# Altium PCB LTC7818.PcbDoc
Units mil, origin at the board's own origin, x right, y up, seen from the top; angles counter-clockwise.
Board outline 3937.01 x 2755.95 mil, 4 copper layers (Layer 1, Layer 2, Layer 3, Layer 4), stack 23.756 mil thick; 56 components, 29 nets, 206 pads, 1828 vias.
Unrouted connection lines stored in the file: 32.
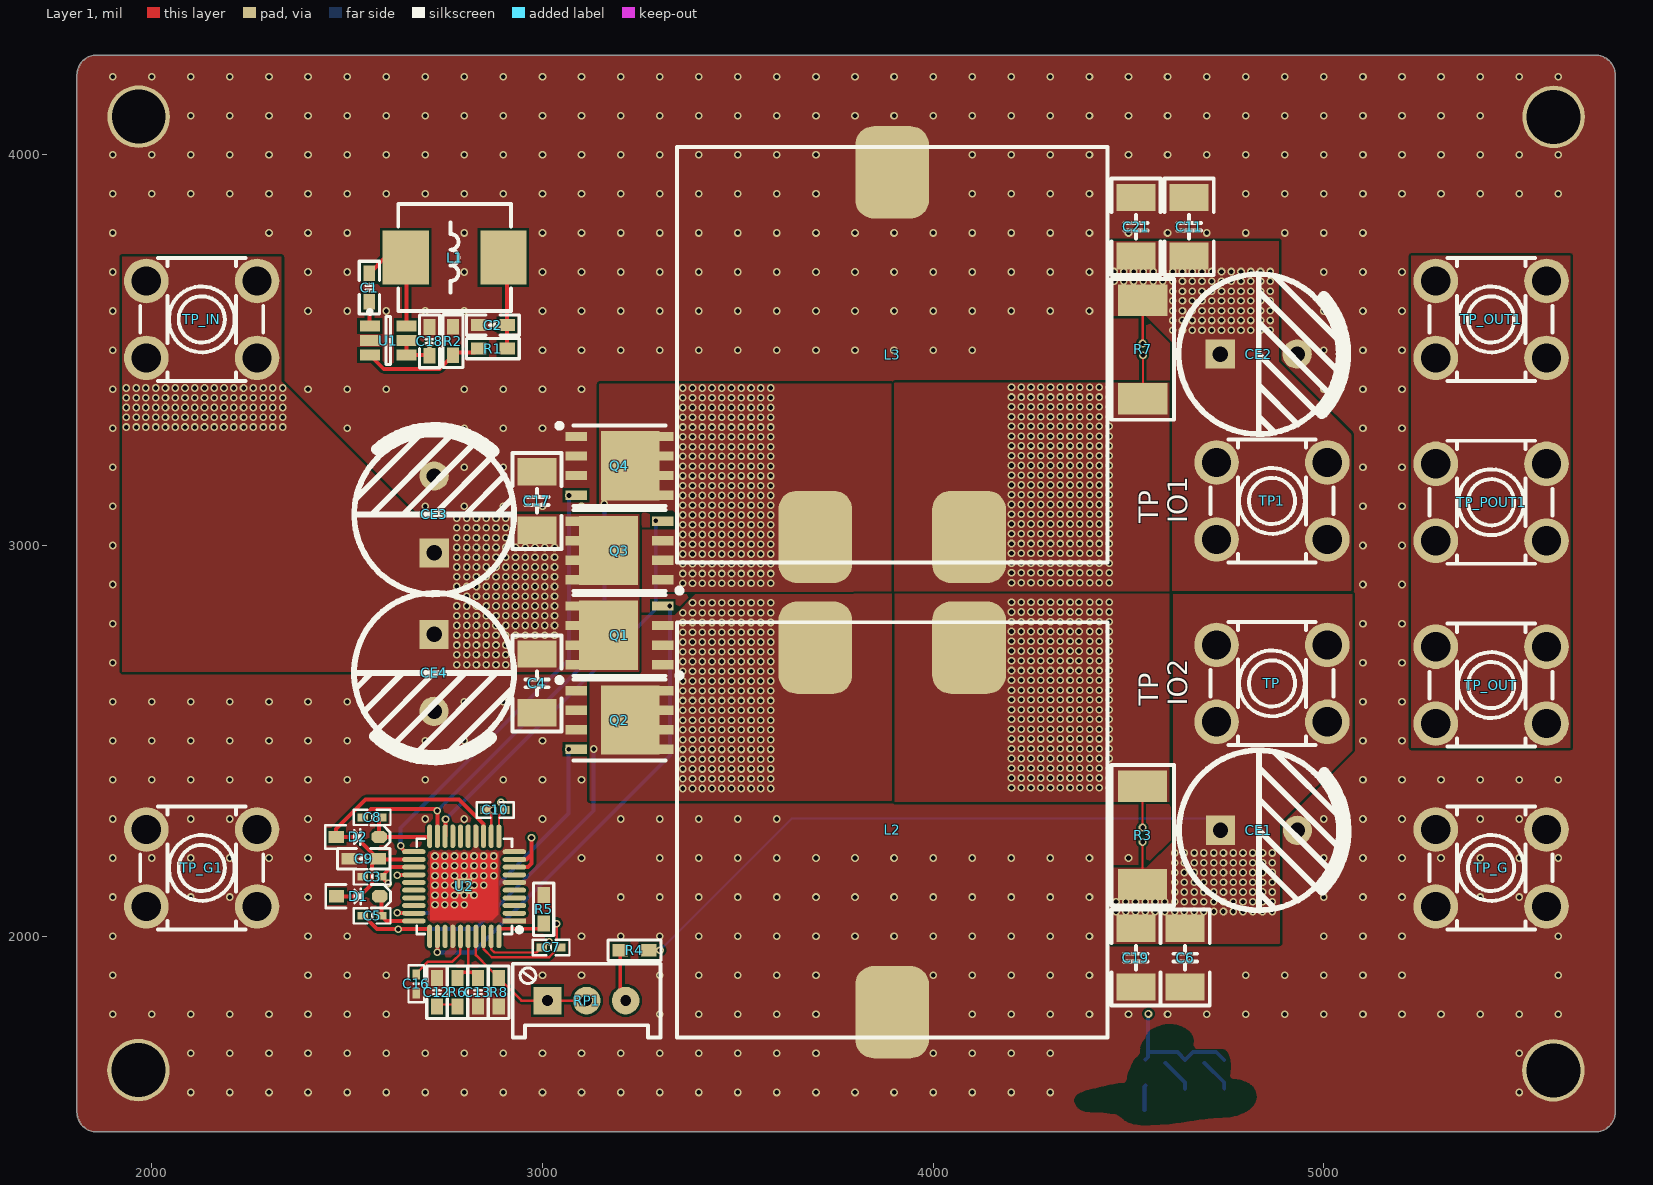
[diagram p0: Layer 1 view]
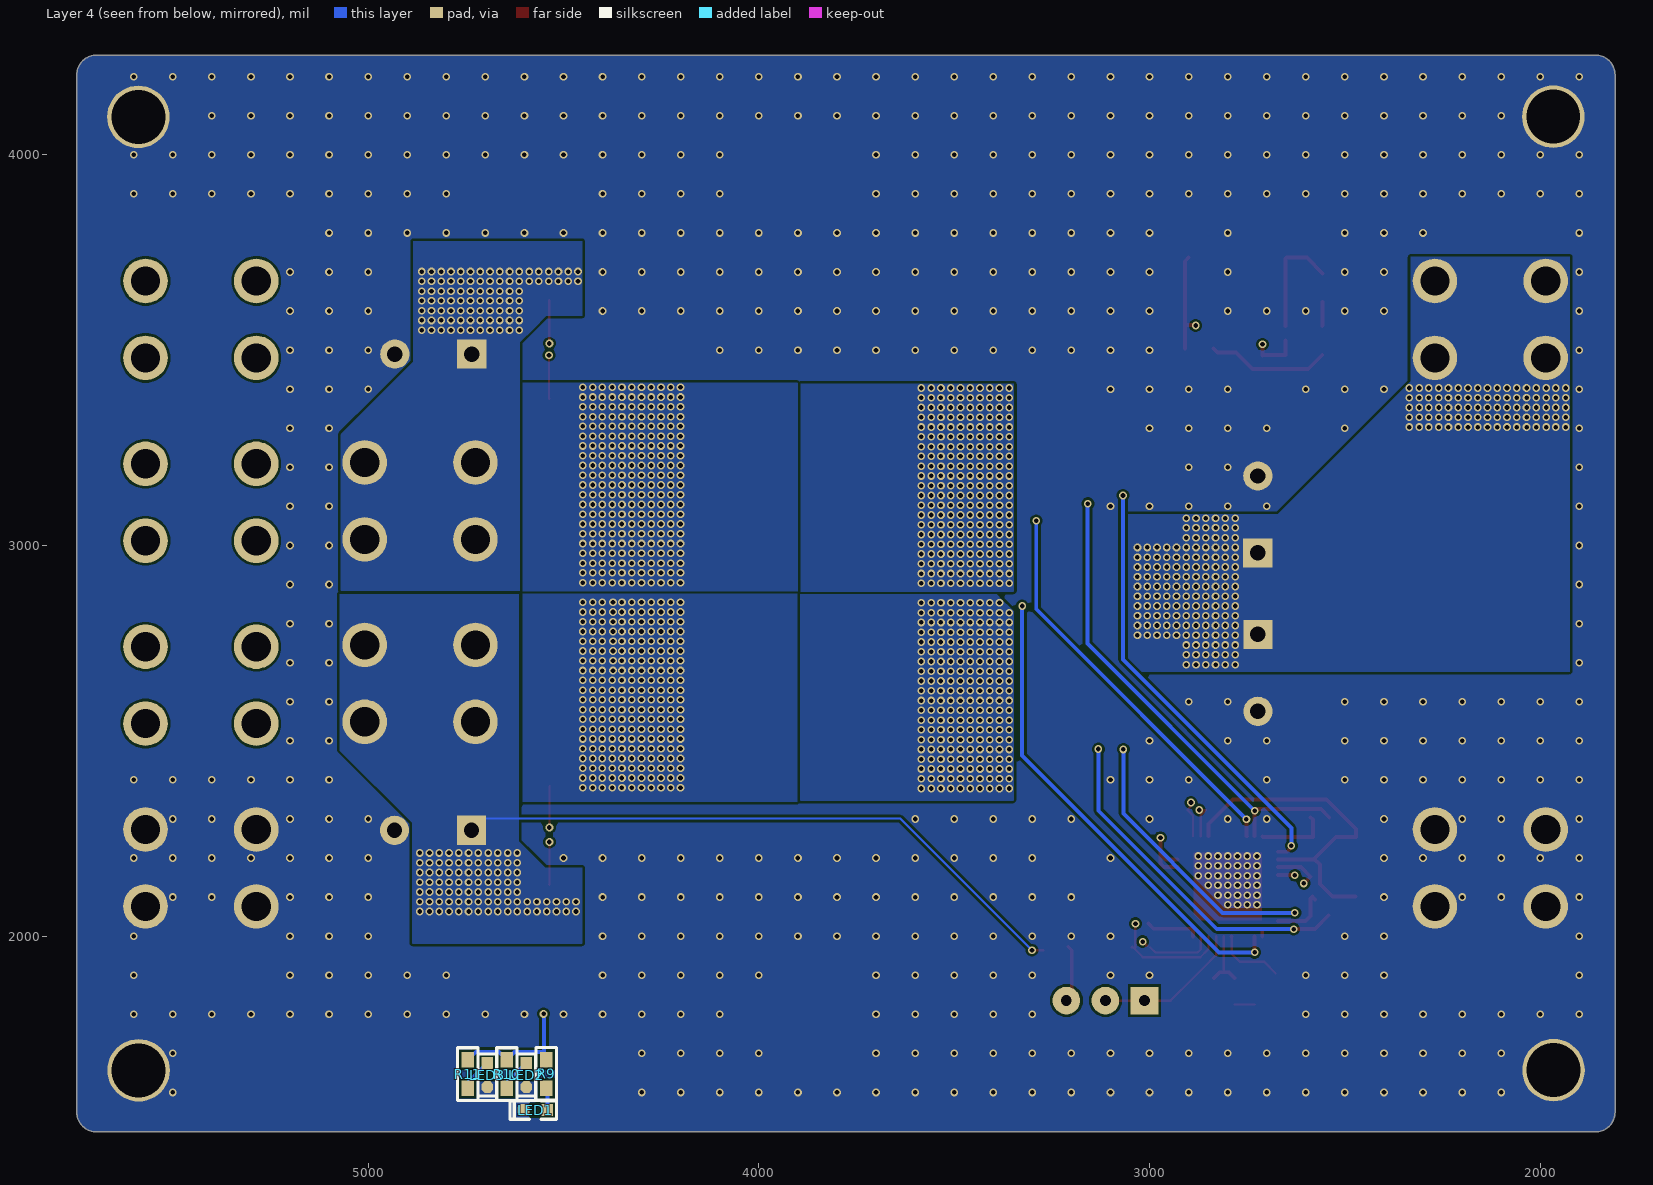
[diagram p1: Layer 4 view, seen from below]
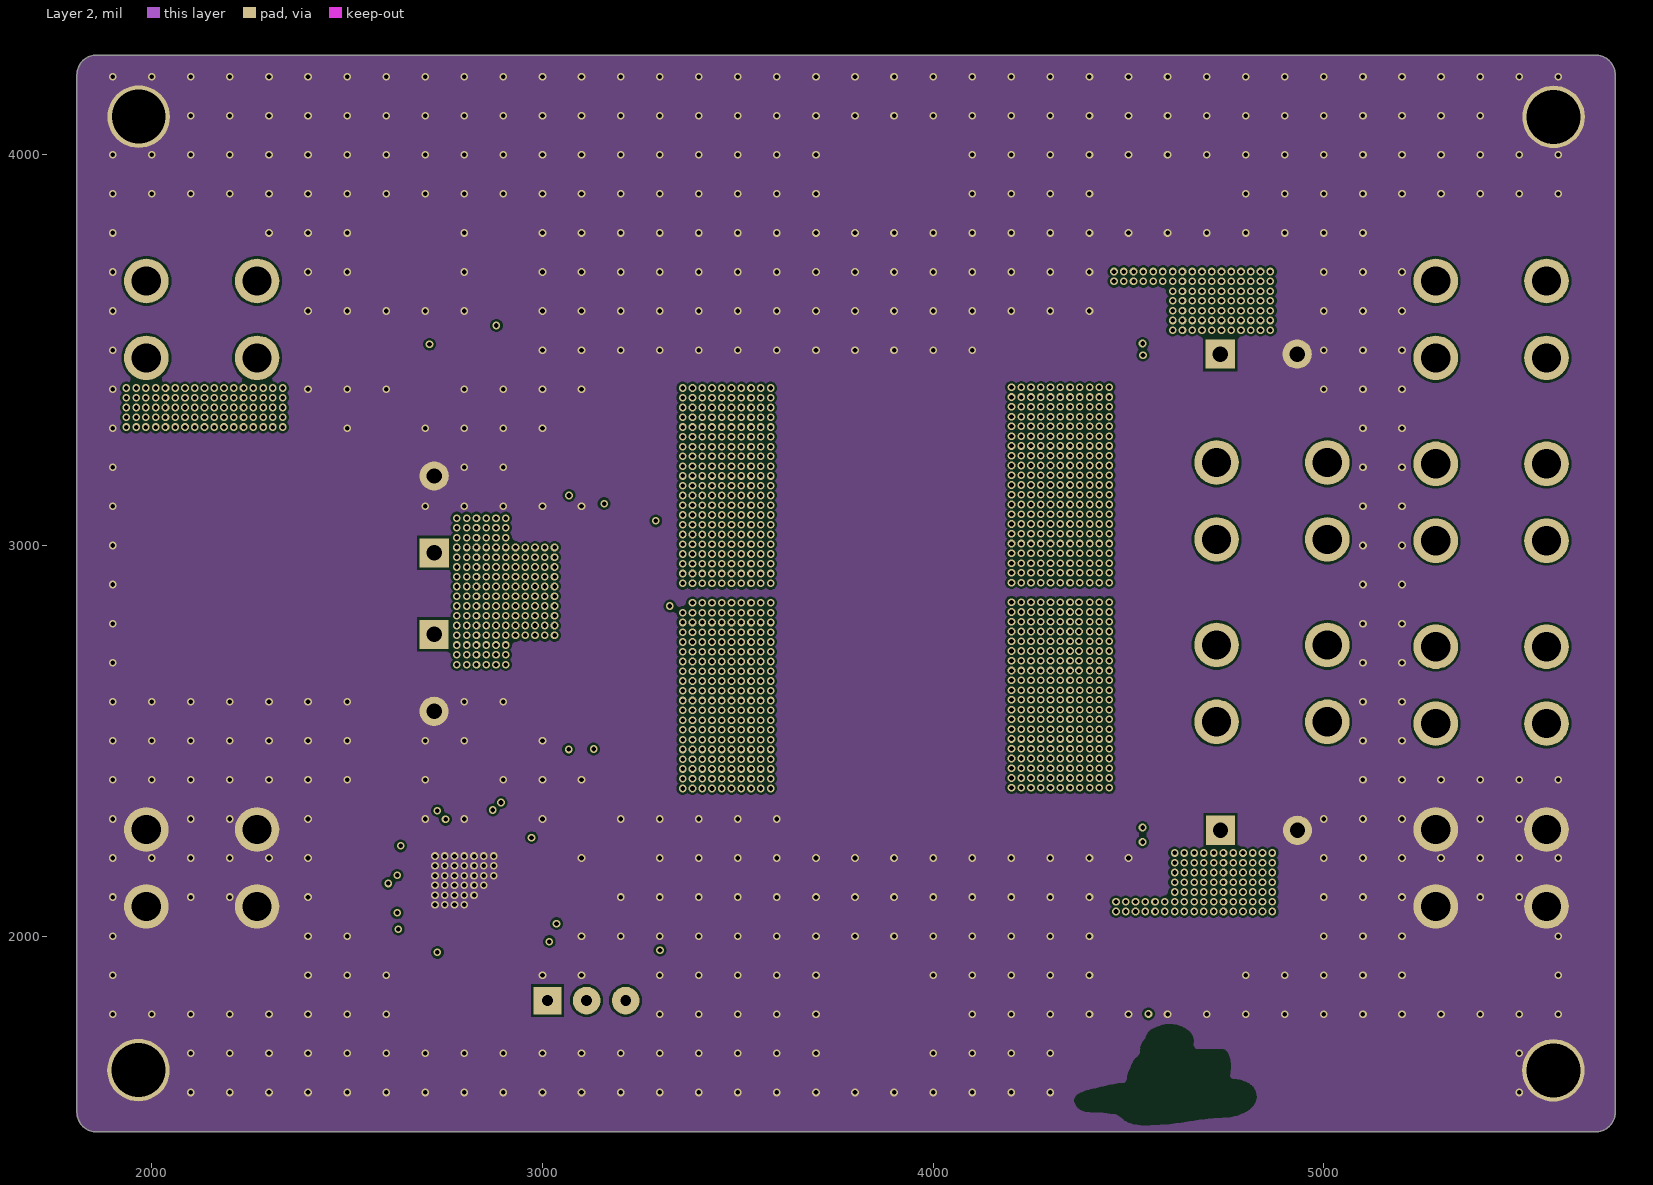
[diagram p2: Layer 2]
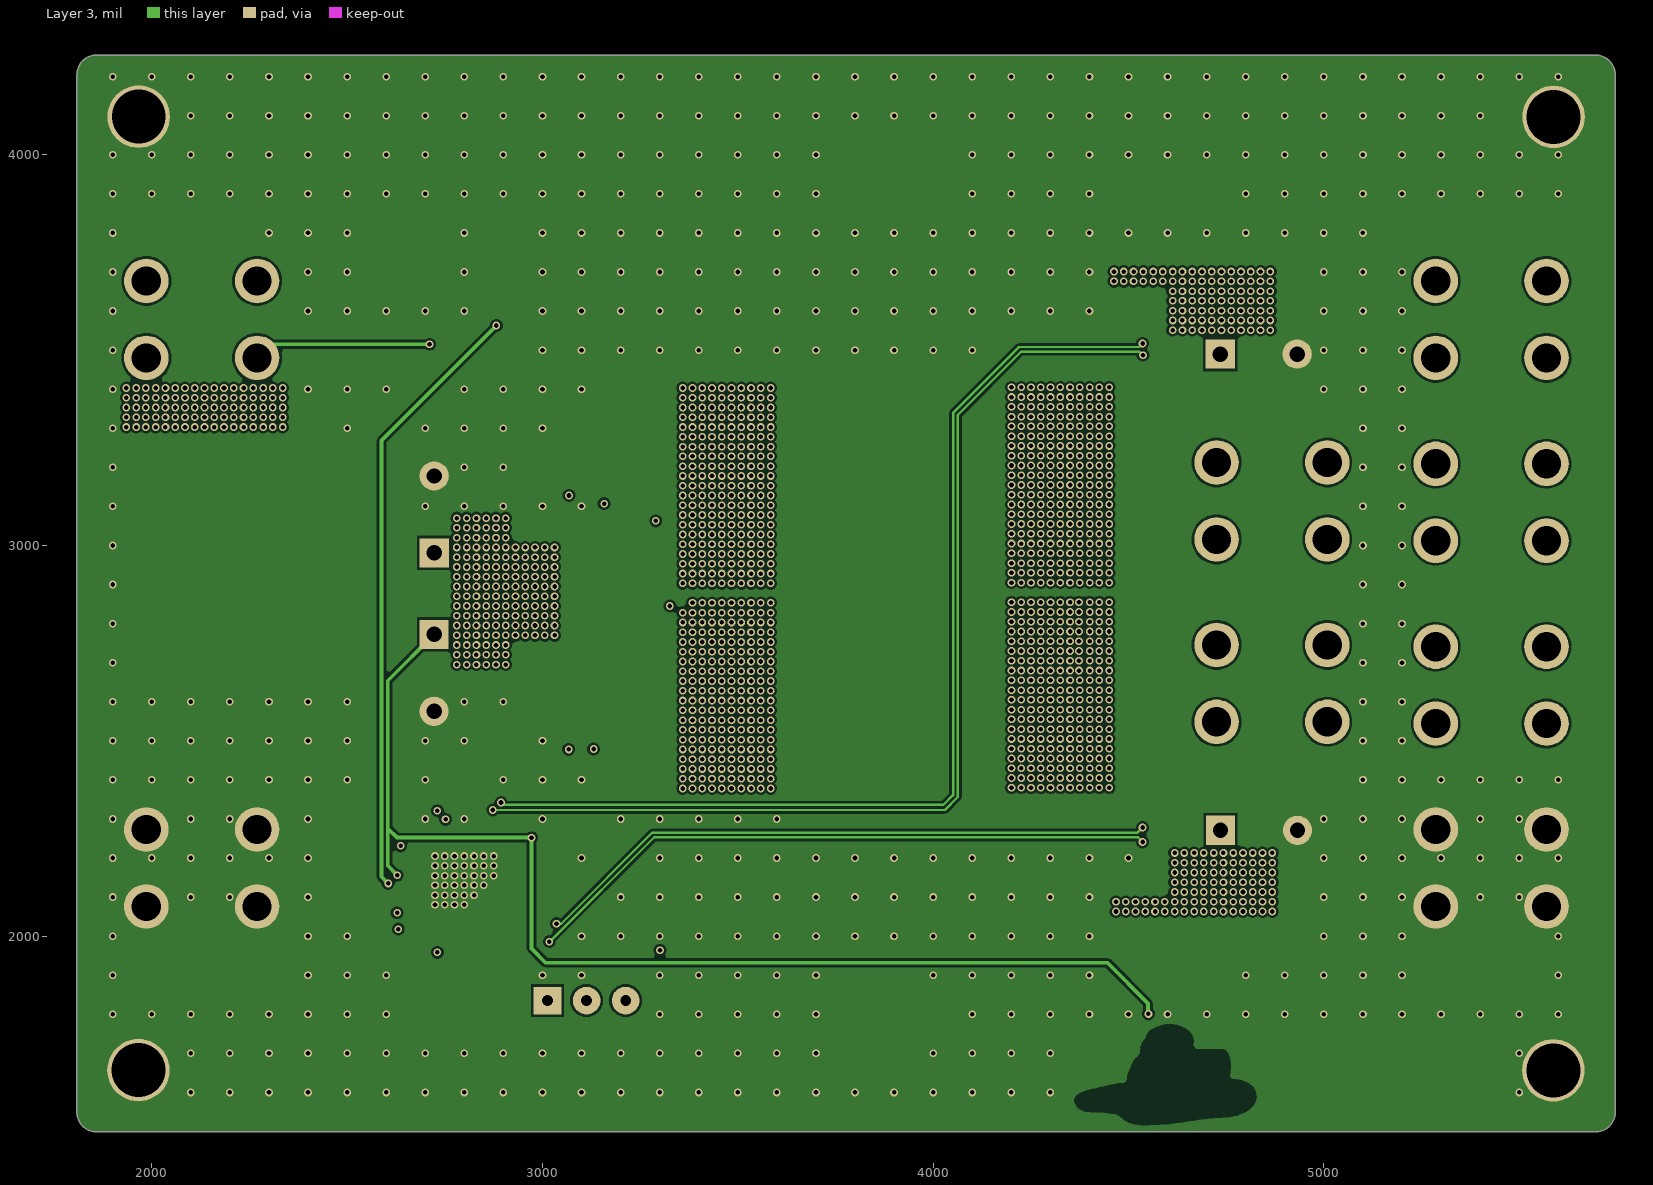
[diagram p3: Layer 3]
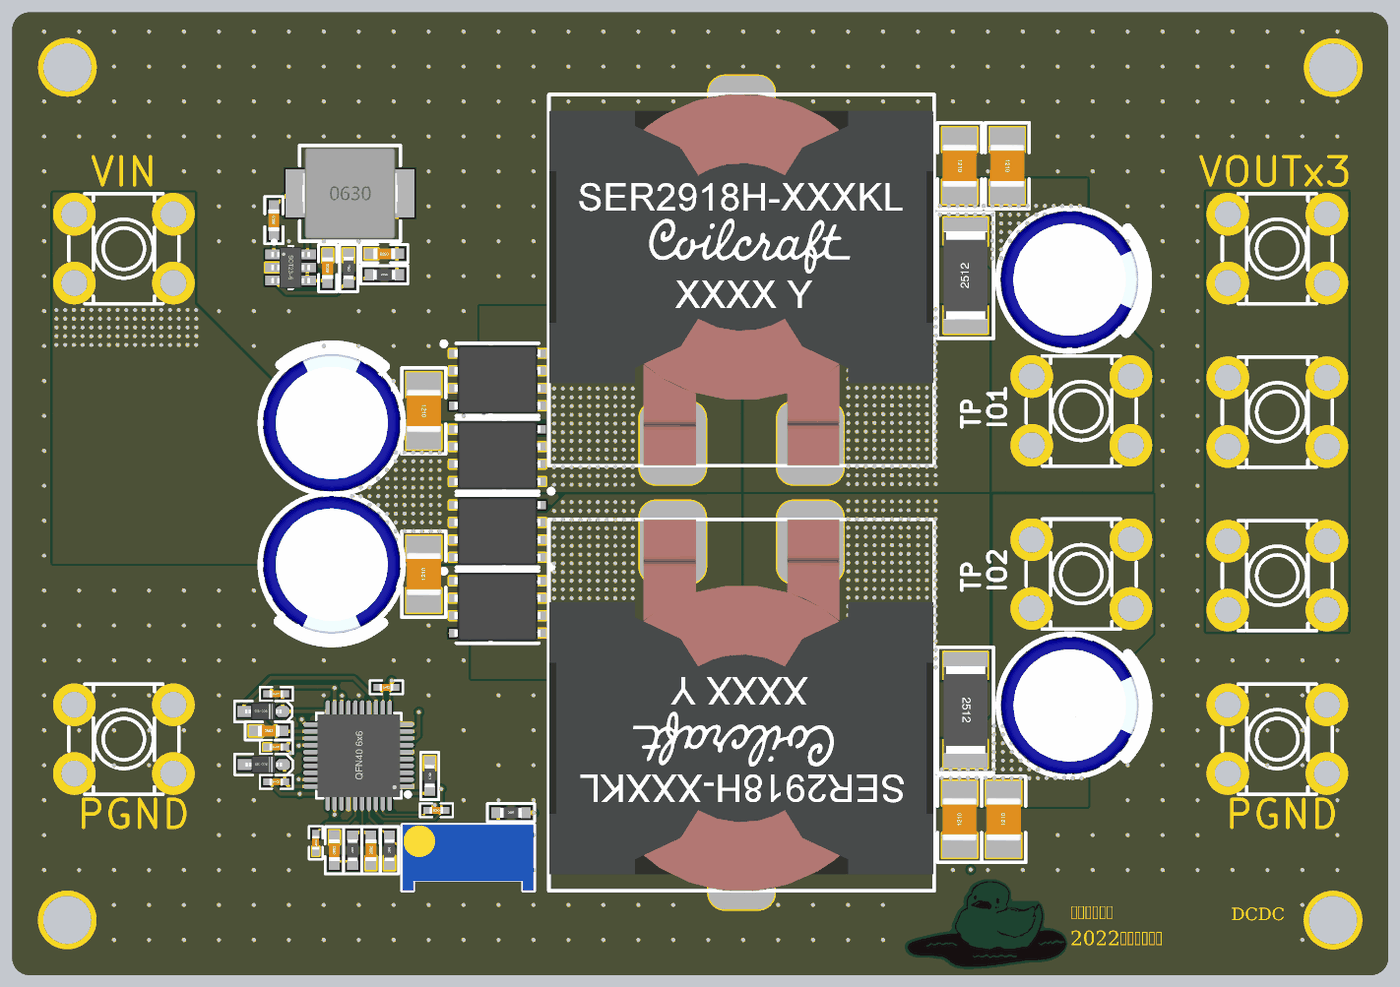
[diagram p4: 3D render of the assembled board from above, using the file's embedded part models]
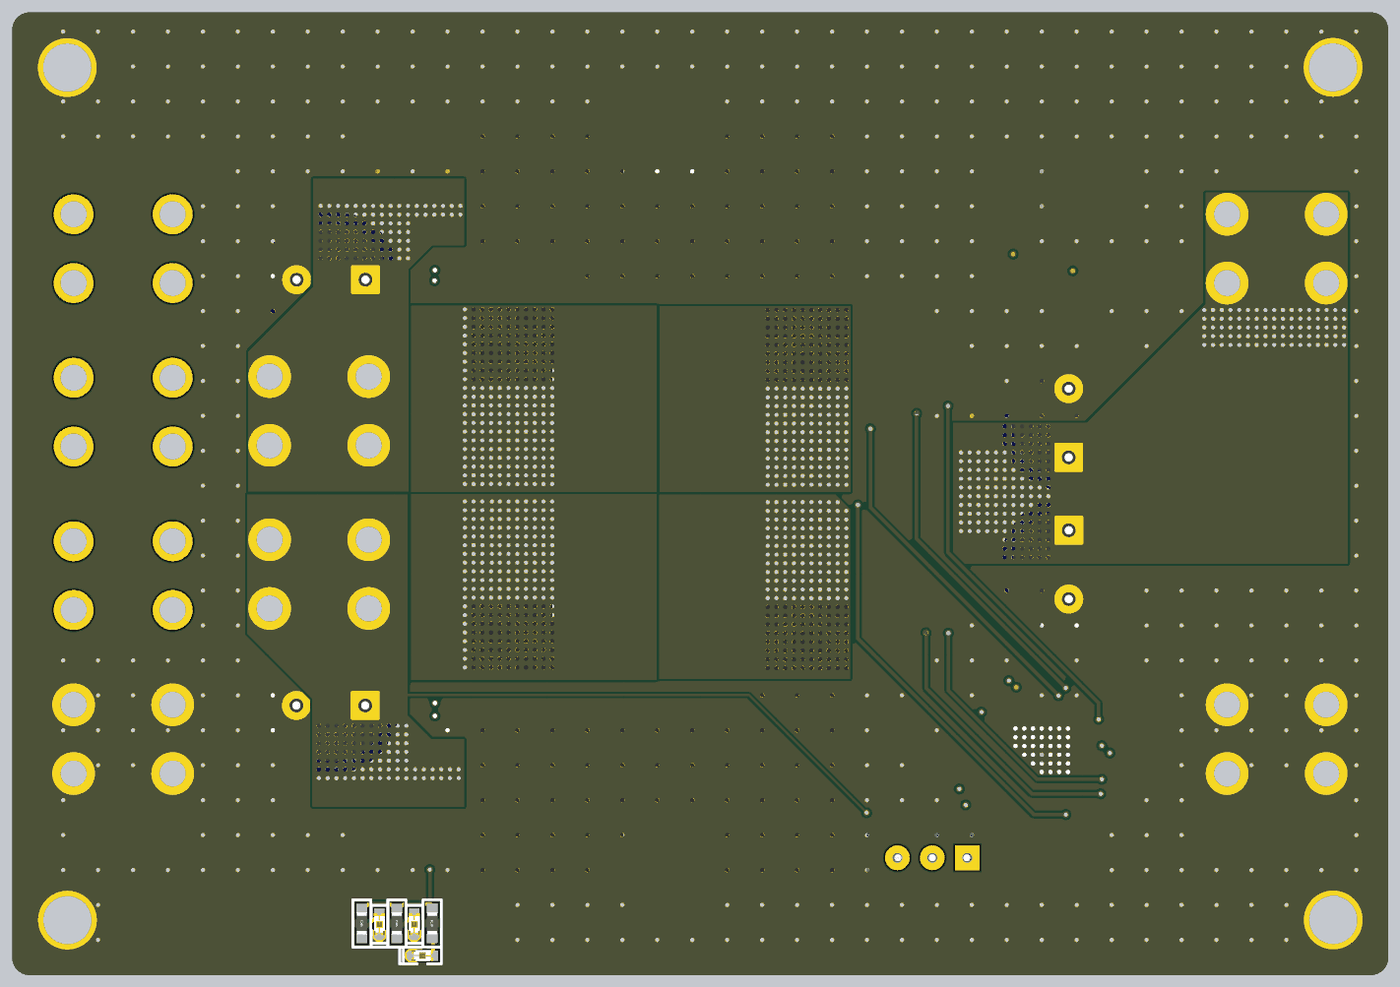
[diagram p5: 3D render of the assembled board from below, using the file's embedded part models]

## Layer stack, top to bottom
Top Solder: solder mask 0.4, Solder Resist, Dk 3.5
Layer 1: signal copper 1.4
Dielectric 2: prepreg 2.8, PP-006, Dk 4.1
Layer 2: signal copper 1.378
Dielectric 1: dielectric 12.6, FR-4, Dk 4.8
Layer 3: signal copper 1.378
Dielectric 3: prepreg 2.8, PP-006, Dk 4.1
Layer 4: signal copper 1.4
Bottom Solder: solder mask 0.4, Solder Resist, Dk 3.5

## Board outline
1808.5,1549.05 ccw(c1858.5,1549.05) 1858.5,1499.05 5695.5,1499.05 ccw(c5695.5,1549.05) 5745.5,1549.05 5745.5,4204.95 ccw(c5695.5,4204.95) 5695.5,4254.95 5695.5,4255 1858.5,4255 ccw(c1858.5,4205) 1808.5,4205

## Design rules (kind name [scope] priority, off if disabled: settings)
Clearance [All] p1: gap=6 ignorepadtopadclearanceinfootprint=TRUE
Height [All] p1: minheight=0 maxheight=5000 prefheight=500
PolygonConnect [All] p1: connectstyle=Direct reliefconductorwidth=10 reliefentries=4 polygonreliefangle="90 Angle" airgapwidth=10
RoutingVias [All] p1: holewidth=28 width=50 viastyle="Through Hole" minholewidth=11.81 minwidth=19.68 maxholewidth=28 maxwidth=50
SolderMaskExpansion [All] p1: expansion=4 istentingtop=FALSE
Width [All] p1: maxlimit=10 minlimit=6 preferedwidth=10
29 further rules are at their usual default settings.

## Components (designator, comment, footprint, x,y, rotation, side; value= is the part's Value field where it differs from the comment)
C1 "104" C0603_M 2557,3660 r90 top
C2 "107" C0603_M 2873,3564 r180 top
C3 "104" C0402_M 2564,2152 r0 top
C4 "107" C1210_M 2986,2647 r90 top
C5 "104" C0402_M 2564,2052 r0 top
C6 "107" C1210_M 4645,1945 r90 top
C7 "104" C0402_M 3022,1971 r180 top
C8 "104" C0402_M 2564,2304 r0 top
C9 "107" C0603_M 2542.5,2198 r0 top
C10 "104" C0402_M 2879,2323 r0 top
C11 "107" C1210_M 4655.24,3815.76 r270 top
C12 "1nF" C0603_M 2730,1856.5 r90 top
C13 "47p" C0603_M 2835,1856.5 r270 top
C16 "104" C0402_M 2677,1878 r270 top
C17 "107" C1210_M 2986,3114 r270 top
C18 "104" C0603_M 2711,3522.5 r90 top
C19 "107" C1210_M 4519,1945 r90 top
C21 "107" C1210_M 4519.24,3815.76 r270 top
CE1 "330uF" "CAP 5.0*10*12.5" 4834,2271 r0 top
CE2 "330uF" "CAP 5.0*10*12.5" 4833.24,3489.76 r0 top
CE3 "330uF" "CAP 5.0*10*12.5" 2722.89,3079.43 r90 top
CE4 "330uF" "CAP 5.0*10*12.5" 2722.61,2674 r270 top
D1 "1N4148" SOD-323 2528,2102 r0 top
D2 "1N4148" SOD-323 2527,2254 r0 top
L1 "10uH" L-SMD-0630 2775,3737 r0 top
L2 "6.8uH" "L_ SER2900" 3895.15,2271.97 r180 top locked
L3 "6.8uH" "L_ SER2900" 3895.15,3488.37 r0 top locked
LED1 "红色" LED0603_R 4572,1555 r0 bottom
LED2 "红色" LED0603_R 4595,1644.59 r270 bottom
LED3 "红色" LED0603_R 4695,1644.59 r270 bottom
Q1 "HSBA15810C" PQFN-8_L6.0-W5.0-P1.27-LS6.0-BL 3206.97,2770 r90 top
Q2 "HSBA15810C" PQFN-8_L6.0-W5.0-P1.27-LS6.0-BL 3187.03,2553 r270 top
Q3 "HSBA15810C" PQFN-8_L6.0-W5.0-P1.27-LS6.0-BL 3206.97,2987 r90 top
Q4 "HSBA15810C" PQFN-8_L6.0-W5.0-P1.27-LS6.0-BL 3187.03,3204 r270 top
R1 "62.5K" R0603_M 2873,3504 r0 top
R2 "20K" R0603_M 2771,3523 r270 top
R3 "2mR" R2512_M 4536,2258 r270 top
R4 "15K" R0603_M 3235.5,1964 r0 top
R5 "0" R0603_M 3003,2069 r270 top
R6 "2K" R0603_M 2782.5,1856.5 r90 top
R7 "2mR" R2512_M 4536.24,3501.76 r90 top
R8 "5K" R0603_M 2888,1856.5 r90 top
R9 "15K" R0603_M 4544,1647.5 r90 bottom
R10 "15K" R0603_M 4645,1647 r90 bottom
R11 "15K" R0603_M 4745,1647 r90 bottom
RP1 "145K" 3296W 3113,1835 r0 top
TP "TP" CONN-TH_T44001 4867.22,2647 r90 top
TP1 "TP" CONN-TH_T44001 4867.22,3114 r90 top
TP_G "TP" CONN-TH_T44001 5428.1,2174.57 r90 top
TP_G1 "TP" CONN-TH_T44001 2127.9,2174.57 r90 top
TP_IN "TP" CONN-TH_T44001 2127.9,3578.57 r90 top
TP_OUT "TP" CONN-TH_T44001 5428.1,2642.57 r90 top
TP_OUT1 "TP" CONN-TH_T44001 5428.1,3578.57 r90 top
TP_POUT1 "TP" CONN-TH_T44001 5428.1,3110.57 r90 top
U1 "SCT2401TVBR" SOT23-6M 2605.26,3524.6 r0 top
U2 "LTC7818IUJ#TRPBF" "QFN40 6X6_M" 2800,2127.5 r90 top

## Footprints (in the part's own frame and the unit in brackets; to place one, negate y for a bottom-side part, rotate by r counter-clockwise, add the part's x,y. Pads: shape width x height; smd on the part's side, far side on the other; paste and mask are expansions set on the pad)
3296W [mm] "Precise Multi-Winding Adjustable Resistor"
  rect 1.8x1.8 hole 0.7: 1(-2.54,0)
  round 1.8 hole 0.7: 2(0,0) 3(2.54,0)
  silkscreen extent -4.8,-2.4 4.8,2.4, body extent -4.75,-2.4 4.75,2.4, height 2.9
C0402_M [mil] "无极性贴片电容"
  rect 26x20 smd: 1(-24,0) 2(24,0)
  silkscreen extent -47,-20 47,20, body extent -20,-10 20,10, height 21
C0603_M [mil] "无极性贴片电容"
  rect 40x30 smd: 1(-36.5,0) 2(36.5,0)
  silkscreen extent -68,-26 68,26, body extent -31,-16 32,16, height 33
C1210_M [mil] "无极性贴片电容"
  rect 70x100 smd: 1(-75,0) 2(75,0)
  silkscreen extent -123,-63 123,63, body extent -63,-51 63,51, height 61
"CAP 5.0*10*12.5" [mm] "脚距5mm直径10mm高度12.5mm         淘宝ID:黄晶宝石"
  rect 1.9x1.9 hole 1: 1(-2.5,0)
  round 1.9 hole 1: 2(2.5,0)
  silkscreen extent -5.2,-5.21 5.64,5.2, body extent -5,-5 5.01,5, height 12.64
CONN-TH_T44001 [mm]
  round 2.9 hole 1.9: 1(-2.5,3.6) 1(-2.5,-3.6) 1(2.5,3.6) 1(2.5,-3.6)
  silkscreen extent -4,-4 4,4
L-SMD-0630 [mm] "一体化成型电感"
  rect 3x3.5 smd: 1(-3.175,0) 2(3.175,0)
  silkscreen extent -3.66,-3.48 3.66,3.48, body extent -3.47,-3.3 3.48,3.3, height 3.05
"L_ SER2900" [mm]
  rrect50% 4.8x6 smd: 1(-5,-11.85) 2(5,-11.85) 3(0,11.85)
  silkscreen extent -14,-13.5 14,13.5, body extent -13.95,-13.49 13.95,13.55, height 17.82
LED0603_R [mil] "红色0603LED"
  rect 30x30 smd: 1(-30.59,0)
  oct 30x30 smd: 2(30.59,0)
  silkscreen extent -54,-24 65,24, body extent -31,-16 31,16, height 24
PQFN-8_L6.0-W5.0-P1.27-LS6.0-BL [mil]
  rect 24x55 smd: 1(-75,-101.03) 1(-25,-101.03) 1(25,-101.03) 2(75,-101.03) 3(-75,120.97) 3(-25,120.97) 3(25,120.97) 3(75,120.97)
  rect 177.16x150 smd: 3(0,37.97)
  silkscreen extent -107,-148 104,128, body extent -102,-113 102,133, height 43
"QFN40 6X6_M" [mm] "40脚，长x宽x高：6x6x1mm，脚距：0.5mm"
  rect 0.325x1.524 smd mask+0.051: 1(-2.25,-3.254)
  oval 0.325x1.524 smd mask+0.051: 2(-1.75,-3.254) 3(-1.25,-3.254) 4(-0.75,-3.254) 5(-0.25,-3.254) 6(0.25,-3.254) 7(0.75,-3.254) 8(1.25,-3.254) 9(1.75,-3.254) 10(2.25,-3.254) 21(2.25,3.279) 22(1.75,3.279) 23(1.25,3.279) 24(0.75,3.279) 25(0.25,3.279) 26(-0.25,3.279) 27(-0.75,3.279) 28(-1.25,3.279) 29(-1.75,3.279) 30(-2.25,3.279)
  oval 1.524x0.325 smd mask+0.051: 11(3.254,-2.25) 12(3.254,-1.75) 13(3.254,-1.25) 14(3.254,-0.75) 15(3.254,-0.25) 16(3.254,0.25) 17(3.254,0.75) 18(3.254,1.25) 19(3.254,1.75) 20(3.254,2.25) 31(-3.254,2.25) 32(-3.254,1.75) 33(-3.254,1.25) 34(-3.254,0.75) 35(-3.254,0.25) 36(-3.254,-0.25) 37(-3.254,-0.75) 38(-3.254,-1.25) 39(-3.254,-1.75) 40(-3.254,-2.25)
  rect 1x1 smd mask+0.051: 41(0,0)
  Layer 1 region: -2.2,2.2 2.2,2.2 2.2,-2.2 -1.8,-2.2 -2.2,-1.8
  silkscreen extent -3.1,-3.72 3.1,3.1, body extent -3.01,-3.01 3.01,3.01, height 0.95
R0603_M [mil] "1/10W贴片电阻"
  rect 40x31.5 smd: 1(-36.5,0) 2(36.5,0)
  silkscreen extent -68,-26 68,26, body extent -31,-16 32,16, height 16
R2512_M [mm] "1W贴片电阻                 淘宝ID:黄晶宝石"
  rect 2.032x3.2 smd: 1(-3.2,0) 2(3.2,0)
  silkscreen extent -4.57,-2.03 4.57,2.03, body extent -3.2,-1.6 3.2,1.6, height 0.55
SOD-323 [mm] "1.8x1.3X0.9mm（长宽高，不包括引脚）"
  rect 1x0.8 smd: 1(-1.4,0)
  oct 1x0.8 smd: 2(1.4,0)
  silkscreen extent -2.11,-0.76 2.11,0.76, body extent -1.32,-0.65 1.32,0.65, height 0.95
SOT23-6M [mm] "SOT-23, 6-Leads, Body 2.90x1.60mm, Pitch 0.95mm, IPC Low Density"
  rect 1.3x0.7 smd: 1(-1.2,0.95) 2(-1.2,0) 3(-1.2,-0.95) 4(1.2,-0.95) 5(1.2,0) 6(1.2,0.95)
  silkscreen extent -1.32,-1.55 0.15,1.97, body extent -1.4,-1.5 1.4,1.5, height 1.15
